# KiCad board HPM1500_DDR3_CORE_RevB.kicad_pcb (continued)
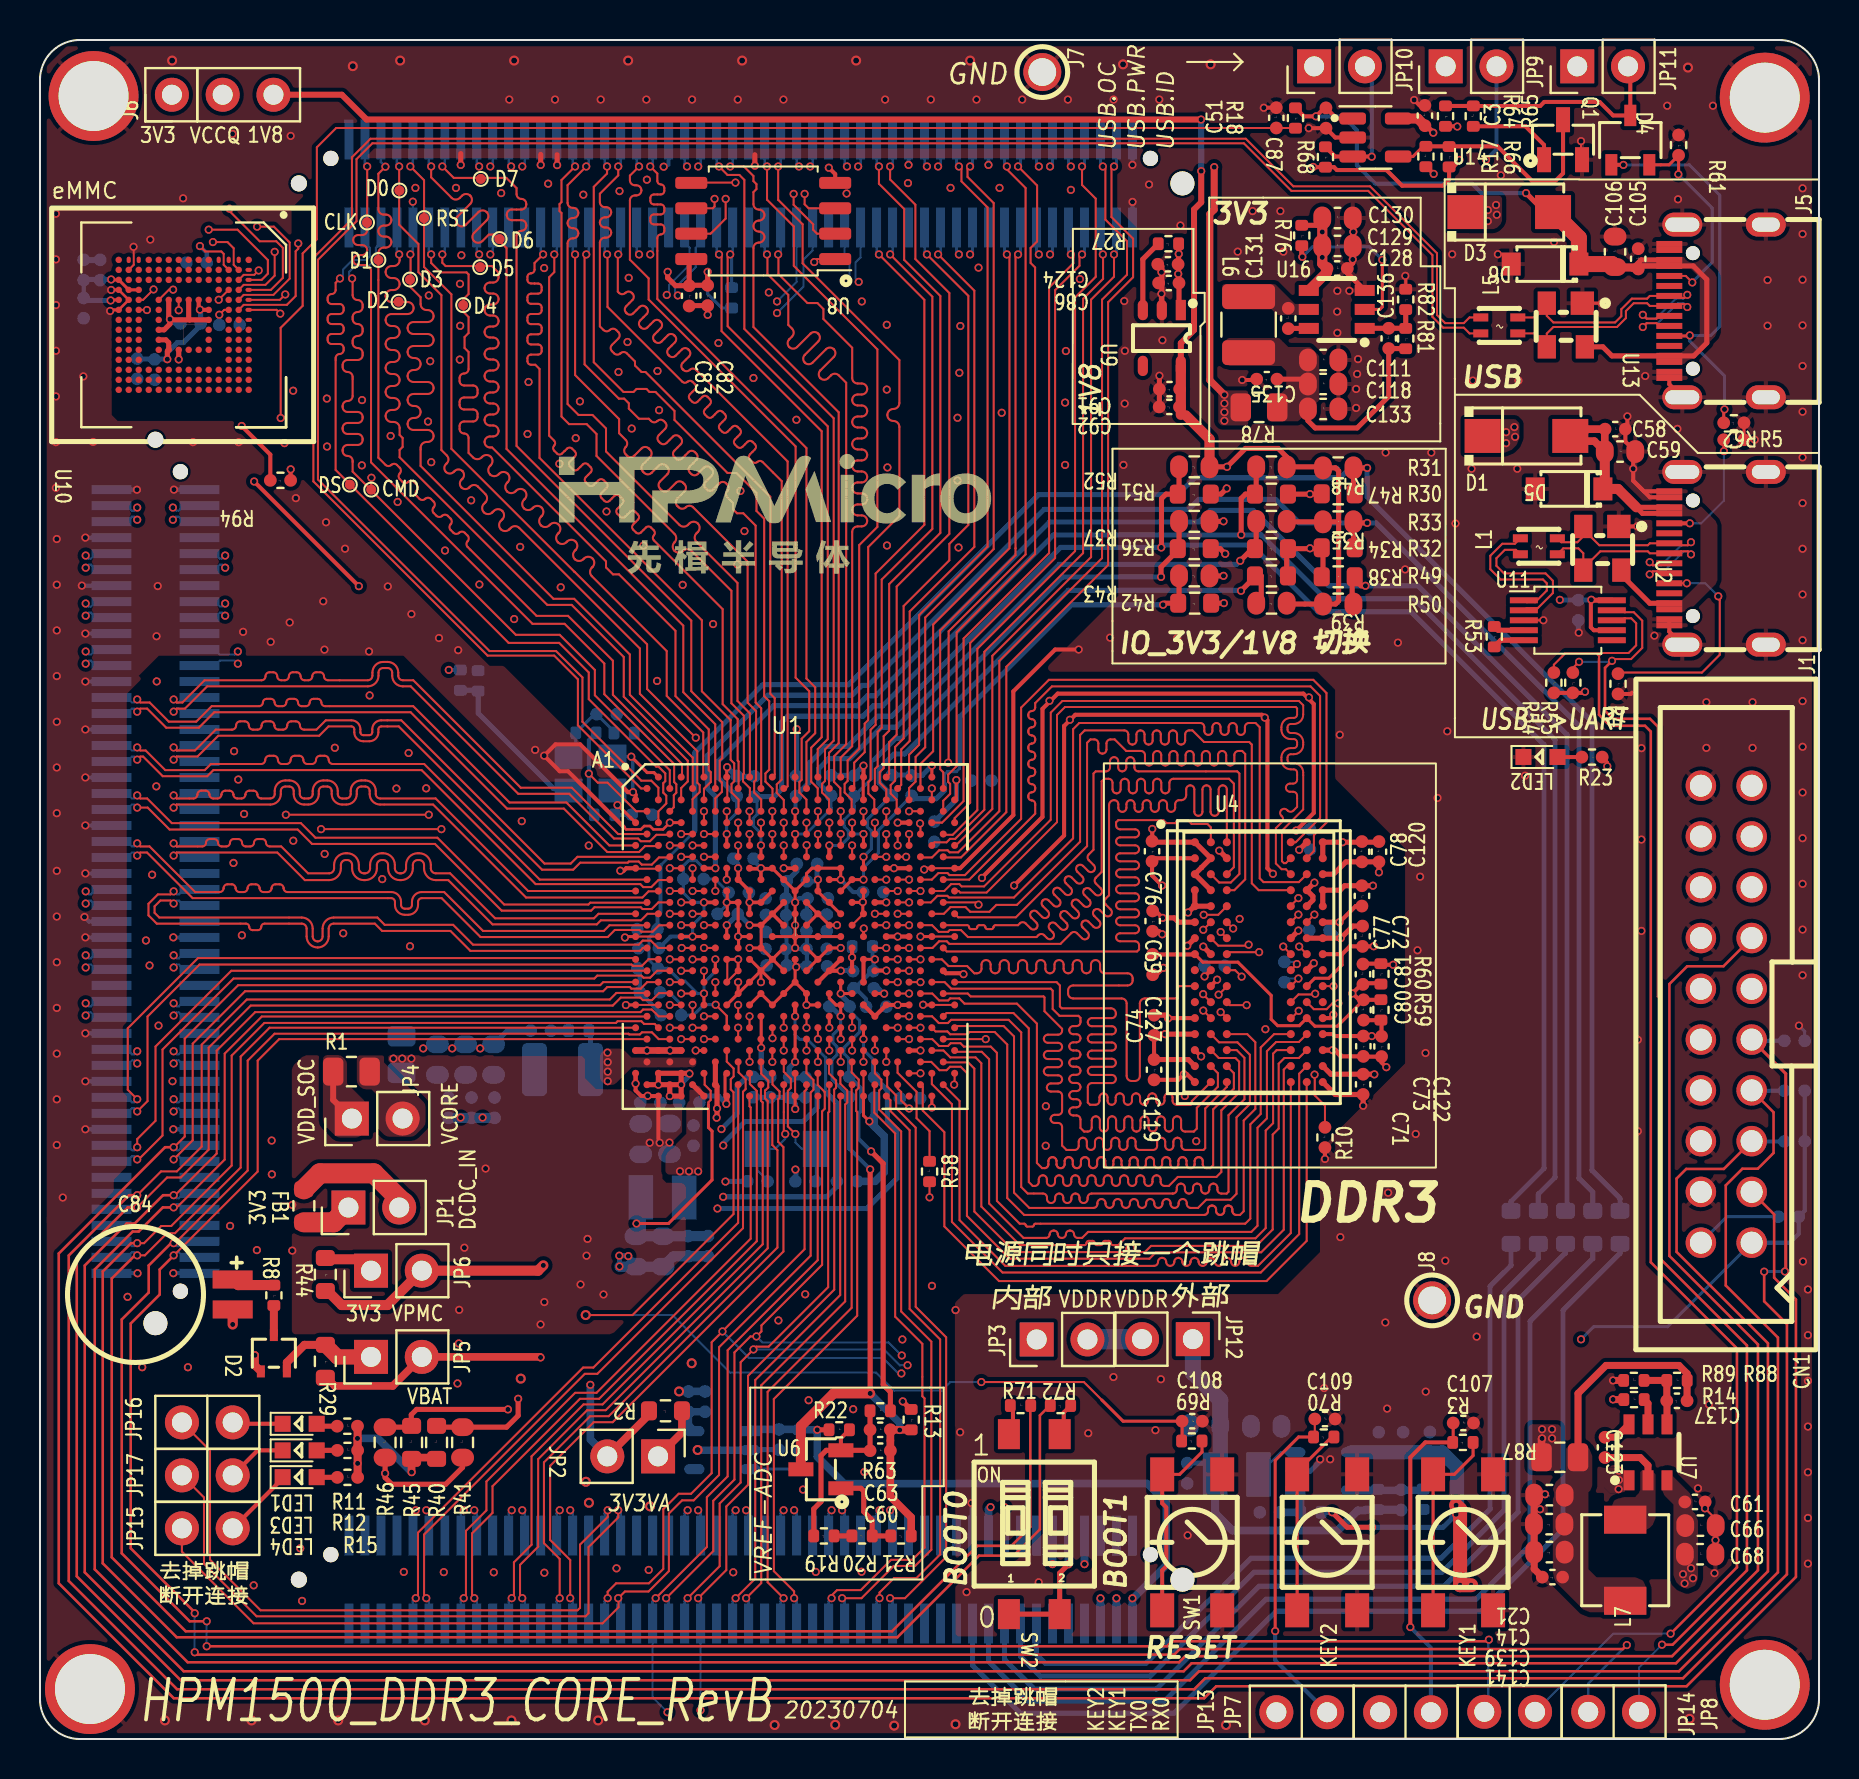
[diagram p0: board, top side]
## Routing (per net, layer and track width the routed paths; a pad name or vN(x,y) marks a point on that pad's centre or on a via; arc(x,y) is an arc through that point) (continued)
  Top w0.152: U4.K8 63.77,38.06 64.47,38.06 65.14,38.72 65.14,39.26
  Top w0.203: U1.J23 U1.J25 ; U4.N9 64.67,35.27 64.77,35.17 67.1,35.17 ; C80.1 67.08,35.96 ; C76.1 55.64,44.93 v2(55.64,45.53) ; 41.77,38.44 v2(42.34,38.44) ; 67.1,35.17 67.11,35.16 67.11,35.94 ; 67.1,35.17 v2(66.62,35.17) ; C69.1 55.81,41.43 v2(56.16,41.08) ; U1.R23 v2(42.9,40.15) U1.R25 ; v2(66.72,39.66) 66.71,39.65 65.52,39.65 65.14,39.26 U4.H9 ; U1.AA25 v2(42.91,36.72) U1.AA23 U1.AB22 U1.AA21 ; U1.M22 v2(42.33,41.85) ; C74.1 C119.1 ; 58.57,37.67 v2(58.89,37.99)
  Top w0.254: v2(66.98,43.36) C120.1 C78.1 65.33,43.88 64.71,43.26 U4.C9 ; U4.R9 64.58,33.26 66.74,33.26 v2(66.75,33.25) ; U4.D2 U4.C1 U4.B2 U4.A1 55.69,44.86 C76.1 ; C119.1 57.44,33.99 U4.R1 ; U4.G7 v2(62.95,40.44) ; U4.H2 v2(58.19,39.65) ; v2(66.68,42.69) C72.1 65.26,42.69 65.03,42.46 U4.D9 U4.E9 ; 55.73,35.22 55.77,35.27 U4.N1 ; v2(56.16,41.08) 56.74,41.08 56.96,40.86 U4.F1 ; U4.A8 v2(62.99,44.48)
  Bottom w0.8: 52.42,20 JP3.2
  Bottom w1.016: JP12.2 52.42,20
  vias: v2(56.28,35.27)
VDDR_VREF: length 57.8
  Top w0.102: v2(42.23,37.29) 42.22,37.29
  Top w0.152: 66.13,36.99 66.13,36.89 64.9,35.66 63.78,35.66 U4.M8 62.99,35.69 61.91,35.69 61.59,36.01 61.59,37.2 59.92,38.86 58.17,38.86 U4.H1 ; 42.23,37.3 U1.Y22 ; v2(41.21,40.55) 41.19,40.53 U1.R21
  Top w0.203: U4.H1 57.76,39.25 C127.1 ; 67.08,37.03 67.13,36.98 67.13,36.98 ; R59.1 67.07,36.98 C80.2 65.99,36.98 65.67,37.3 v2(65.65,37.3) 66.1,37.75 C81.1 66.24,37.81 67.08,37.81
  In2.Cu w0.381: v2(65.65,37.3) 65.65,34.2 59.05,27.6 47.64,27.6 44.05,31.19 44.05,31.96 42.91,33.1 42.91,34.18 42.24,34.85 42.24,37.28 ; v2(41.21,40.55) 41.19,40.53 41.19,38.32 v2(42.23,37.29)
  Bottom w0.203: C79.1 41.96,37.56 v2(42.23,37.29)
/Main/DDR3/A0: length 35.6
  Top w0.102: U1.AC27 44.8,35.4 45.39,35.4 45.53,35.26 46.39,35.26 46.5,35.37 47.76,35.37 48.39,34.74 48.39,27.06 49.23,26.22 58.22,26.22 58.26,26.22 58.34,26.25 58.4,26.31 58.43,26.38 58.43,26.42 58.43,26.48 58.43,26.52 58.46,26.6 58.52,26.66 58.59,26.69 58.63,26.69 58.67,26.69 58.75,26.66 58.8,26.6 58.83,26.52 58.83,26.48 58.83,26.42 58.84,26.38 58.87,26.31 58.92,26.25 59,26.22 59.04,26.22 59.08,26.22 59.15,26.25 59.21,26.31 59.24,26.38 59.24,26.42 59.24,26.48 59.24,26.52 59.27,26.6 59.33,26.66 59.4,26.69 59.44,26.69 59.48,26.69 59.56,26.66 59.61,26.6 59.65,26.52 59.65,26.48 59.65,26.42 59.65,26.38 59.68,26.31 59.74,26.25 59.81,26.22 59.85,26.22 60.03,26.22 60.22,26.41 60.22,30.94 60.8,31.52 60.8,34.86 60.39,35.27 U4.N3
/Main/DDR3/A1: length 35.6
  Top w0.102: U4.P7 61.86,34.46 61.69,34.29 61.69,30.81 61.32,30.44 61.32,25.56 60.81,25.05 54.28,25.05 53.94,24.71 53.68,24.71 arc(53.6,24.74) 53.57,24.82 arc(53.54,24.89) 53.47,24.92 53.27,24.92 arc(53.2,24.89) 53.17,24.82 arc(53.14,24.74) 53.06,24.71 52.87,24.71 arc(52.79,24.74) 52.76,24.82 arc(52.73,24.89) 52.65,24.92 52.46,24.92 arc(52.39,24.89) 52.35,24.82 arc(52.32,24.74) 52.25,24.71 49.02,24.71 47.09,26.64 47.09,33.81 46.8,34.1 45.54,34.1 45.19,34.44 U1.AE27
/Main/DDR3/A2: length 35.6
  Top w0.102: U4.P3 59.87,34.46 60.25,34.08 60.25,32 59.46,31.21 59.46,27.38 59.36,27.29 59.1,27.29 arc(58.96,27.35) 58.9,27.49 58.9,27.58 arc(58.84,27.73) 58.7,27.79 arc(58.55,27.73) 58.49,27.58 58.49,27.49 arc(58.43,27.35) 58.29,27.29 arc(58.15,27.35) 58.09,27.49 58.09,27.58 arc(58.03,27.73) 57.88,27.79 arc(57.74,27.73) 57.68,27.58 57.68,27.49 arc(57.62,27.35) 57.48,27.29 arc(57.33,27.35) 57.27,27.49 57.27,27.58 arc(57.21,27.73) 57.07,27.79 arc(56.93,27.73) 56.87,27.58 56.87,27.49 arc(56.81,27.35) 56.66,27.29 56.66,27.29 52.61,27.29 arc(52.47,27.23) 52.41,27.09 52.41,27.02 arc(52.35,26.87) 52.2,26.81 arc(52.06,26.87) 52,27.02 52,27.09 arc(51.94,27.23) 51.8,27.29 arc(51.65,27.23) 51.59,27.09 51.59,27.02 arc(51.53,26.87) 51.39,26.81 arc(51.25,26.87) 51.19,27.02 51.19,27.09 arc(51.13,27.23) 50.98,27.29 arc(50.84,27.23) 50.78,27.09 50.78,27.02 arc(50.72,26.87) 50.58,26.81 arc(50.43,26.87) 50.37,27.02 50.37,27.09 arc(50.32,27.23) 50.17,27.29 49.41,27.29 49.09,27.61 49.09,35.35 48.46,35.98 45.58,35.98 45.42,35.82 44.96,35.82 44.62,36.15 U1.AB26
/Main/DDR3/A3: length 35.6
  Top w0.102: U1.AC29 45.84,35.67 48.21,35.67 48.73,35.15 48.73,27.33 49.49,26.57 52.69,26.57 arc(52.84,26.63) 52.9,26.77 52.9,26.81 arc(52.96,26.96) 53.1,27.02 arc(53.24,26.96) 53.3,26.81 53.3,26.77 arc(53.36,26.63) 53.51,26.57 arc(53.65,26.63) 53.71,26.77 53.71,26.81 arc(53.77,26.96) 53.91,27.02 arc(54.06,26.96) 54.12,26.81 54.12,26.77 arc(54.18,26.63) 54.32,26.57 arc(54.46,26.63) 54.52,26.77 54.52,26.81 arc(54.58,26.96) 54.73,27.02 arc(54.87,26.96) 54.93,26.81 54.93,26.77 arc(54.99,26.63) 55.13,26.57 arc(55.28,26.63) 55.33,26.77 55.33,26.81 arc(55.39,26.96) 55.54,27.02 arc(55.68,26.96) 55.74,26.81 55.74,26.77 arc(55.8,26.63) 55.94,26.57 arc(56.09,26.63) 56.15,26.77 56.15,26.81 arc(56.21,26.96) 56.35,27.02 arc(56.49,26.96) 56.55,26.81 56.55,26.77 arc(56.61,26.63) 56.76,26.57 arc(56.9,26.63) 56.96,26.77 56.96,26.81 arc(57.02,26.96) 57.16,27.02 arc(57.31,26.96) 57.37,26.81 57.37,26.77 arc(57.43,26.63) 57.57,26.57 57.93,26.57 58.34,26.98 59.56,26.98 59.86,27.28 59.86,31.1 60.53,31.77 60.53,34.23 59.9,34.85 58.98,34.85 U4.N2
/Main/DDR3/A4: length 35.6
  Top w0.102: U4.P8 62.98,34.07 62.25,34.07 61.97,33.78 61.97,30.54 61.67,30.24 61.67,25.49 60.85,24.67 55.58,24.67 55.27,24.36 54.95,24.36 arc(54.82,24.42) 54.76,24.55 arc(54.7,24.68) 54.57,24.74 54.54,24.74 arc(54.41,24.68) 54.35,24.55 arc(54.3,24.42) 54.16,24.36 48.77,24.36 46.74,26.39 46.74,33.54 46.43,33.85 45.21,33.85 U1.AF28
/Main/DDR3/A5: length 35.6
  Top w0.102: U4.P2 58.97,34.07 59.8,34.07 59.99,33.88 59.99,32.34 59.1,31.45 59.1,28.37 58.85,28.12 56.92,28.12 56.47,27.67 56.26,27.67 arc(56.12,27.73) 56.06,27.87 56.06,28 arc(56,28.14) 55.86,28.2 arc(55.71,28.14) 55.65,28 55.65,27.87 arc(55.59,27.73) 55.45,27.67 arc(55.31,27.73) 55.25,27.87 55.25,28 arc(55.19,28.14) 55.04,28.2 arc(54.9,28.14) 54.84,28 54.84,27.87 arc(54.78,27.73) 54.64,27.67 arc(54.49,27.73) 54.43,27.87 54.43,28 arc(54.37,28.14) 54.23,28.2 arc(54.09,28.14) 54.03,28 54.03,27.87 arc(53.97,27.73) 53.82,27.67 arc(53.68,27.73) 53.62,27.87 53.62,28 arc(53.56,28.14) 53.42,28.2 arc(53.27,28.14) 53.21,28 53.21,27.87 arc(53.15,27.73) 53.01,27.67 arc(52.87,27.73) 52.81,27.87 52.81,28 arc(52.75,28.14) 52.6,28.2 arc(52.46,28.14) 52.4,28 52.4,27.87 arc(52.34,27.73) 52.2,27.67 arc(52.05,27.73) 52,27.87 52,28 arc(51.94,28.14) 51.79,28.2 arc(51.65,28.14) 51.59,28 51.59,27.87 arc(51.53,27.73) 51.39,27.67 arc(51.24,27.73) 51.18,27.87 51.18,28 arc(51.12,28.14) 50.98,28.2 arc(50.84,28.14) 50.78,28 50.78,27.87 arc(50.72,27.73) 50.57,27.67 arc(50.43,27.73) 50.37,27.87 50.37,28 arc(50.31,28.14) 50.17,28.2 arc(50.02,28.14) 49.96,28 49.96,27.87 arc(49.9,27.73) 49.76,27.67 49.66,27.67 49.47,27.86 49.47,35.55 48.7,36.32 45.35,36.32 U1.AB28
/Main/DDR3/A6: length 35.6
  Top w0.102: U4.R8 62.99,33.29 62.99,25.26 61.07,23.34 48.15,23.34 45.62,25.87 45.62,31.76 44.62,32.76 U1.AG27
/Main/DDR3/A7: length 35.6
  Top w0.102: U1.W27 45.25,37.86 45.58,37.54 50.56,37.54 50.66,37.44 50.66,36.52 51,36.18 51.95,36.18 52.05,36.08 52.05,35.87 arc(51.99,35.73) 51.85,35.67 51.69,35.67 arc(51.55,35.61) 51.49,35.46 arc(51.55,35.32) 51.69,35.26 51.85,35.26 arc(51.99,35.2) 52.05,35.06 arc(51.99,34.91) 51.85,34.85 51.69,34.85 arc(51.55,34.79) 51.49,34.65 arc(51.55,34.51) 51.69,34.45 51.85,34.45 arc(51.99,34.39) 52.05,34.24 arc(51.99,34.1) 51.85,34.04 51.69,34.04 arc(51.55,33.98) 51.49,33.84 arc(51.55,33.69) 51.69,33.63 51.85,33.63 arc(51.99,33.58) 52.05,33.43 arc(51.99,33.29) 51.85,33.23 51.69,33.23 arc(51.55,33.17) 51.49,33.03 arc(51.55,32.88) 51.69,32.82 51.85,32.82 arc(51.99,32.76) 52.05,32.62 arc(51.99,32.48) 51.85,32.42 51.69,32.42 arc(51.55,32.36) 51.49,32.21 arc(51.55,32.07) 51.69,32.01 51.85,32.01 arc(51.99,31.95) 52.05,31.81 arc(51.99,31.66) 51.85,31.6 51.69,31.6 arc(51.55,31.54) 51.49,31.4 arc(51.55,31.26) 51.69,31.2 51.85,31.2 arc(51.99,31.14) 52.05,30.99 52.05,30.57 52.23,30.39 52.41,30.39 arc(52.55,30.45) 52.61,30.59 52.61,30.95 arc(52.67,31.09) 52.82,31.15 arc(52.96,31.09) 53.02,30.95 53.02,30.59 arc(53.08,30.45) 53.22,30.39 arc(53.37,30.45) 53.43,30.59 53.43,30.95 arc(53.49,31.09) 53.63,31.15 arc(53.77,31.09) 53.83,30.95 53.83,30.59 arc(53.89,30.45) 54.04,30.39 arc(54.18,30.45) 54.24,30.59 54.24,30.95 arc(54.3,31.09) 54.44,31.15 arc(54.59,31.09) 54.65,30.95 54.65,30.59 arc(54.7,30.45) 54.85,30.39 arc(54.99,30.45) 55.05,30.59 55.05,30.95 arc(55.11,31.09) 55.25,31.15 arc(55.4,31.09) 55.46,30.95 55.46,30.59 arc(55.52,30.45) 55.66,30.39 arc(55.8,30.45) 55.86,30.59 55.86,30.95 arc(55.92,31.09) 56.07,31.15 arc(56.21,31.09) 56.27,30.95 56.27,30.59 arc(56.33,30.45) 56.47,30.39 arc(56.62,30.45) 56.68,30.59 56.68,30.95 arc(56.74,31.09) 56.88,31.15 arc(57.02,31.09) 57.08,30.95 57.08,30.59 arc(57.14,30.45) 57.29,30.39 57.72,30.39 57.87,30.54 57.87,31.58 58.92,32.63 58.92,33.31 U4.R2
/Main/DDR3/A8: length 35.6
  Top w0.102: U1.AH26 44.16,32.62 44.16,31.44 45.24,30.36 45.24,25.65 47.98,22.91 61.36,22.91 63.37,24.92 63.37,32.86 U4.T8
/Main/DDR3/A9: length 35.6
  Top w0.102: U1.Y26 44.64,37.29 44.98,36.95 45.43,36.95 45.53,37.05 45.99,37.05 46.25,36.79 48.87,36.79 49.87,35.79 49.87,28.82 50.13,28.56 50.24,28.56 50.28,28.56 50.36,28.59 50.41,28.65 50.44,28.72 50.45,28.76 50.45,28.91 50.45,28.95 50.48,29.02 50.53,29.08 50.61,29.11 50.65,29.11 50.69,29.11 50.76,29.08 50.82,29.02 50.85,28.95 50.85,28.91 50.85,28.76 50.85,28.72 50.88,28.65 50.94,28.59 51.01,28.56 51.05,28.56 51.09,28.56 51.17,28.59 51.23,28.65 51.26,28.72 51.26,28.76 51.26,28.91 51.26,28.95 51.29,29.02 51.35,29.08 51.42,29.11 51.46,29.11 51.5,29.11 51.58,29.08 51.63,29.02 51.66,28.95 51.66,28.91 51.66,28.76 51.67,28.72 51.7,28.65 51.75,28.59 51.83,28.56 51.87,28.56 51.91,28.56 51.98,28.59 52.04,28.65 52.07,28.72 52.07,28.76 52.07,28.91 52.07,28.95 52.1,29.02 52.16,29.08 52.23,29.11 52.27,29.11 52.31,29.11 52.39,29.08 52.45,29.02 52.48,28.95 52.48,28.91 52.48,28.76 52.48,28.72 52.51,28.65 52.57,28.59 52.64,28.56 52.68,28.56 52.72,28.56 52.79,28.59 52.85,28.65 52.88,28.72 52.88,28.76 52.88,28.91 52.89,28.95 52.92,29.02 52.97,29.08 53.05,29.11 53.09,29.11 53.13,29.11 53.2,29.08 53.26,29.02 53.29,28.95 53.29,28.91 53.29,28.76 53.29,28.72 53.32,28.65 53.38,28.59 53.45,28.56 53.49,28.56 53.53,28.56 53.61,28.59 53.66,28.65 53.69,28.72 53.7,28.76 53.7,28.91 53.7,28.95 53.73,29.02 53.79,29.08 53.86,29.11 53.9,29.11 53.94,29.11 54.01,29.08 54.07,29.02 54.1,28.95 54.1,28.91 54.1,28.76 54.1,28.72 54.13,28.65 54.19,28.59 54.27,28.56 54.31,28.56 54.35,28.56 54.42,28.59 54.48,28.65 54.51,28.72 54.51,28.76 54.51,28.91 54.51,28.95 54.54,29.02 54.6,29.08 54.67,29.11 54.71,29.11 54.75,29.11 54.83,29.08 54.88,29.02 54.91,28.95 54.92,28.91 54.92,28.76 54.92,28.72 54.95,28.65 55,28.59 55.08,28.56 55.12,28.56 55.16,28.56 55.23,28.59 55.29,28.65 55.32,28.72 55.32,28.76 55.32,28.91 55.32,28.95 55.35,29.02 55.41,29.08 55.49,29.11 55.53,29.11 55.57,29.11 55.64,29.08 55.7,29.02 55.73,28.95 55.73,28.91 55.73,28.76 55.73,28.72 55.76,28.65 55.82,28.59 55.89,28.56 55.93,28.56 55.97,28.56 56.05,28.59 56.1,28.65 56.13,28.72 56.13,28.76 56.13,28.91 56.14,28.95 56.17,29.02 56.22,29.08 56.3,29.11 56.34,29.11 56.38,29.11 56.45,29.08 56.51,29.02 56.54,28.95 56.54,28.91 56.54,28.76 56.54,28.72 56.57,28.65 56.63,28.59 56.7,28.56 56.74,28.56 56.78,28.56 56.86,28.59 56.92,28.65 56.95,28.72 56.95,28.76 56.95,28.91 56.95,28.95 56.98,29.02 57.04,29.08 57.11,29.11 57.15,29.11 57.19,29.11 57.27,29.08 57.32,29.02 57.35,28.95 57.35,28.91 57.35,28.76 57.36,28.72 57.39,28.65 57.44,28.59 57.52,28.56 57.56,28.56 57.6,28.56 57.67,28.59 57.73,28.65 57.76,28.72 57.76,28.76 57.76,28.91 57.76,28.95 57.79,29.02 57.85,29.08 57.92,29.11 57.96,29.11 58,29.11 58.08,29.08 58.13,29.02 58.17,28.95 58.17,28.91 58.17,28.76 58.17,28.72 58.2,28.65 58.26,28.59 58.33,28.56 58.37,28.56 58.54,28.56 58.69,28.71 58.69,31.5 59.72,32.54 59.72,33.31 U4.R3
/Main/DDR3/A10: length 32.7
  Top w0.102: v2(63.79,37.28) 63.76,37.25 62.96,37.25 U4.L7 ; U1.AC23 v2(42.91,35.58)
  In2.Cu w0.102: v2(42.91,35.58) 42.91,34.96 43.36,34.51 43.36,33.94 43.58,33.72 44.53,33.72 45.28,32.97 45.28,32.29 45.72,31.85 45.72,31.25 48.16,28.81 58.13,28.81 61.6,32.27 arc(61.73,32.32) 61.86,32.27 arc(61.98,32.22) 62.11,32.27 62.14,32.3 arc(62.2,32.43) 62.14,32.56 arc(62.09,32.69) 62.14,32.82 63.47,34.14 63.47,36.96 v2(63.79,37.28)
/Main/DDR3/A11: length 35.6
  Top w0.102: U4.R7 62.4,33.67 62.22,33.49 62.22,25.48 61.09,24.35 55.82,24.35 55.5,24.03 48.51,24.03 46.37,26.17 46.37,33.32 46.06,33.63 45.52,33.63 45.35,33.46 45,33.46 44.59,33.87 U1.AF26
/Main/DDR3/A12: length 35.6
  Top w0.102: U1.AD26 44.64,35.01 44.98,34.67 45.42,34.67 45.56,34.81 46.04,34.81 46.22,34.64 47.56,34.64 47.87,34.33 47.87,26.92 49.01,25.78 49.24,25.78 arc(49.29,25.76) 49.31,25.71 arc(49.33,25.66) 49.38,25.64 49.65,25.64 arc(49.7,25.66) 49.72,25.71 arc(49.74,25.76) 49.79,25.78 60.29,25.78 60.55,26.04 60.55,30.75 61.07,31.27 61.07,34.6 61.74,35.27 U4.N7
/Main/DDR3/A13: length 35.6
  Top w0.102: U4.T3 59.37,32.63 58.29,31.54 58.29,29.56 58.2,29.47 57.31,29.47 arc(57.16,29.53) 57.1,29.67 57.1,29.88 arc(57.04,30.02) 56.9,30.08 arc(56.76,30.02) 56.7,29.88 56.7,29.67 arc(56.64,29.53) 56.49,29.47 arc(56.35,29.53) 56.29,29.67 56.29,29.88 arc(56.23,30.02) 56.09,30.08 arc(55.94,30.02) 55.88,29.88 55.88,29.67 arc(55.82,29.53) 55.68,29.47 55.01,29.47 arc(54.87,29.53) 54.81,29.67 54.81,29.88 arc(54.75,30.02) 54.6,30.08 arc(54.46,30.02) 54.4,29.88 54.4,29.67 arc(54.34,29.53) 54.2,29.47 arc(54.05,29.53) 53.99,29.67 53.99,29.88 arc(53.93,30.02) 53.79,30.08 arc(53.65,30.02) 53.59,29.88 53.59,29.67 arc(53.53,29.53) 53.38,29.47 arc(53.24,29.53) 53.18,29.67 53.18,29.88 arc(53.12,30.02) 52.98,30.08 arc(52.83,30.02) 52.77,29.88 52.77,29.67 arc(52.72,29.53) 52.57,29.47 arc(52.43,29.53) 52.37,29.67 52.37,29.88 arc(52.31,30.02) 52.17,30.08 arc(52.02,30.02) 51.96,29.88 51.96,29.67 arc(51.9,29.53) 51.76,29.47 51.35,29.47 51.13,29.69 51.13,30.62 arc(51.07,30.76) 50.93,30.82 50.76,30.82 arc(50.62,30.88) 50.56,31.02 arc(50.62,31.17) 50.76,31.23 50.93,31.23 arc(51.07,31.29) 51.13,31.43 51.13,32.19 arc(51.07,32.33) 50.93,32.39 50.57,32.39 arc(50.43,32.45) 50.37,32.6 arc(50.43,32.74) 50.57,32.8 50.93,32.8 arc(51.07,32.86) 51.13,33 arc(51.07,33.15) 50.93,33.2 50.42,33.2 arc(50.28,33.26) 50.22,33.41 arc(50.28,33.55) 50.42,33.61 50.93,33.61 arc(51.07,33.67) 51.13,33.81 arc(51.07,33.96) 50.93,34.02 50.42,34.02 arc(50.28,34.08) 50.22,34.22 arc(50.28,34.36) 50.42,34.42 50.93,34.42 arc(51.07,34.48) 51.13,34.63 arc(51.07,34.77) 50.93,34.83 50.42,34.83 arc(50.28,34.89) 50.22,35.03 arc(50.28,35.18) 50.42,35.24 50.93,35.24 arc(51.07,35.3) 51.13,35.44 51.13,35.53 50.25,36.41 50.25,37.1 50.2,37.15 46.56,37.15 46.41,37.29 U1.Y28
/Main/DDR3/A14: length 35.6
  Top w0.102: U4.T7 62.57,25.31 60.93,23.67 60.6,23.67 arc(60.46,23.73) 60.4,23.87 arc(60.34,24.01) 60.2,24.07 60.19,24.07 arc(60.05,24.01) 59.99,23.87 arc(59.93,23.73) 59.79,23.67 59.79,23.67 arc(59.65,23.73) 59.59,23.87 arc(59.53,24.01) 59.39,24.07 59.38,24.07 arc(59.24,24.01) 59.18,23.87 arc(59.12,23.73) 58.98,23.67 58.97,23.67 arc(58.83,23.73) 58.77,23.87 arc(58.72,24.01) 58.57,24.07 58.57,24.07 arc(58.43,24.01) 58.37,23.87 arc(58.31,23.73) 58.17,23.67 58.16,23.67 arc(58.02,23.73) 57.96,23.87 arc(57.9,24.01) 57.76,24.07 57.76,24.07 arc(57.61,24.01) 57.55,23.87 arc(57.5,23.73) 57.35,23.67 57.35,23.67 arc(57.21,23.73) 57.15,23.87 arc(57.09,24.01) 56.95,24.07 56.94,24.07 arc(56.8,24.01) 56.74,23.87 arc(56.68,23.73) 56.54,23.67 56.54,23.67 arc(56.39,23.73) 56.34,23.87 arc(56.28,24.01) 56.14,24.07 56.13,24.07 arc(55.99,24.01) 55.93,23.87 arc(55.87,23.73) 55.73,23.67 48.29,23.67 46,25.96 46,31.92 U1.AH28
/Main/DDR3/A15: length 32.7
  Top w0.102: v2(62.97,36.43) 62.6,36.06 U4.M7 ; U1.AD24 v2(43.47,35.01)
  In2.Cu w0.102: v2(43.47,35.01) 43.69,34.8 43.69,34.09 43.77,34.01 45.12,34.01 46.17,32.96 46.17,31.52 48.47,29.22 58.01,29.22 58.97,30.18 arc(59.04,30.34) 58.97,30.51 58.91,30.56 arc(58.85,30.72) 58.91,30.89 arc(59.08,30.95) 59.24,30.89 59.3,30.83 arc(59.46,30.76) 59.62,30.83 arc(59.68,30.99) 59.62,31.15 59.56,31.21 arc(59.49,31.37) 59.56,31.53 arc(59.72,31.6) 59.88,31.53 59.94,31.47 arc(60.1,31.41) 60.26,31.47 arc(60.33,31.63) 60.26,31.8 60.2,31.85 arc(60.14,32.02) 60.2,32.18 arc(60.37,32.24) 60.53,32.18 60.59,32.12 arc(60.75,32.05) 60.91,32.12 arc(60.98,32.28) 60.91,32.44 60.85,32.5 arc(60.78,32.66) 60.85,32.82 arc(61.01,32.89) 61.17,32.82 61.23,32.76 arc(61.39,32.7) 61.55,32.76 arc(61.62,32.93) 61.55,33.09 61.5,33.15 arc(61.43,33.31) 61.5,33.47 arc(61.66,33.53) 61.82,33.47 61.88,33.41 arc(62.04,33.34) 62.2,33.41 arc(62.27,33.57) 62.2,33.73 62.14,33.79 arc(62.07,33.95) 62.14,34.11 arc(62.3,34.18) 62.46,34.11 62.52,34.05 arc(62.68,33.99) 62.84,34.05 62.97,34.18 v2(62.97,36.43)
/Main/DDR3/BA0: length 32.7
  Top w0.102: U4.M2 v2(58.19,36.44) ; U1.U25 v2(44.05,39)
  In2.Cu w0.102: v2(58.19,36.44) 57.77,36.87 57.77,38.36 57.99,38.58 58.83,38.58 58.9,38.65 58.9,39.16 58.84,39.22 57.33,39.22 arc(57.21,39.17) 57.16,39.06 arc(57.11,38.94) 57,38.89 56.92,38.89 arc(56.8,38.94) 56.75,39.06 arc(56.71,39.17) 56.59,39.22 55.73,39.22 55.63,39.32 55.23,39.32 arc(55.07,39.25) 55.01,39.09 55.01,38.54 arc(54.94,38.38) 54.78,38.32 arc(54.62,38.38) 54.55,38.54 54.55,39.09 arc(54.48,39.25) 54.32,39.32 arc(54.16,39.25) 54.09,39.09 54.09,38.54 arc(54.03,38.38) 53.87,38.32 arc(53.7,38.38) 53.64,38.54 53.64,39.09 arc(53.57,39.25) 53.41,39.32 arc(53.25,39.25) 53.18,39.09 53.18,38.54 arc(53.11,38.38) 52.95,38.32 arc(52.79,38.38) 52.72,38.54 52.72,39.09 arc(52.66,39.25) 52.5,39.32 arc(52.33,39.25) 52.27,39.09 52.27,38.54 arc(52.2,38.38) 52.04,38.32 arc(51.88,38.38) 51.81,38.54 51.81,39.09 arc(51.74,39.25) 51.58,39.32 arc(51.42,39.25) 51.35,39.09 51.35,38.54 arc(51.29,38.38) 51.13,38.32 arc(50.97,38.38) 50.9,38.54 50.9,39.09 arc(50.83,39.25) 50.67,39.32 arc(50.51,39.25) 50.44,39.09 50.44,38.54 arc(50.38,38.38) 50.21,38.32 arc(50.05,38.38) 49.99,38.54 49.99,39.09 arc(49.92,39.25) 49.76,39.32 arc(49.6,39.25) 49.53,39.09 49.53,38.54 arc(49.46,38.38) 49.3,38.32 arc(49.14,38.38) 49.07,38.54 49.07,39.09 arc(49.01,39.25) 48.84,39.32 arc(48.68,39.25) 48.62,39.09 48.62,38.54 arc(48.55,38.38) 48.39,38.32 48.05,38.32 47.37,39 v2(44.05,39)
/Main/DDR3/BA1: length 35.6
  Top w0.102: U4.N8 62.98,34.87 61.84,34.87 61.38,34.41 61.38,31.05 60.91,30.58 60.91,25.68 60.6,25.37 52.43,25.37 52.13,25.07 51.91,25.07 arc(51.78,25.12) 51.73,25.25 arc(51.67,25.38) 51.54,25.44 51.5,25.44 arc(51.37,25.38) 51.32,25.25 arc(51.27,25.12) 51.14,25.07 51.1,25.07 arc(50.97,25.12) 50.91,25.25 arc(50.86,25.38) 50.73,25.44 50.69,25.44 arc(50.56,25.38) 50.51,25.25 arc(50.45,25.12) 50.33,25.07 49.2,25.07 47.48,26.79 47.48,34.01 47.11,34.38 45.82,34.38 U1.AE29
/Main/DDR3/BA2: length 32.7
  Top w0.102: U4.M3 59.07,36.36 v2(59.06,36.36) ; v2(42.91,39) U1.U23
  In2.Cu w0.102: v2(59.06,36.36) 58.73,36.03 57.71,36.03 57.34,36.4 57.34,37.19 57.08,37.45 56.36,37.45 arc(56.22,37.51) 56.16,37.65 56.16,37.7 arc(56.1,37.84) 55.95,37.9 arc(55.81,37.84) 55.75,37.7 55.75,37.2 arc(55.69,37.06) 55.55,37 arc(55.4,37.06) 55.34,37.2 55.34,37.7 arc(55.28,37.84) 55.14,37.9 arc(55,37.84) 54.94,37.7 54.94,37.2 arc(54.88,37.06) 54.73,37 arc(54.59,37.06) 54.53,37.2 54.53,37.7 arc(54.47,37.84) 54.33,37.9 arc(54.18,37.84) 54.12,37.7 54.12,37.2 arc(54.07,37.06) 53.92,37 arc(53.78,37.06) 53.72,37.2 53.72,37.7 arc(53.66,37.84) 53.52,37.9 arc(53.37,37.84) 53.31,37.7 53.31,37.2 arc(53.25,37.06) 53.11,37 arc(52.97,37.06) 52.91,37.2 52.91,37.7 arc(52.85,37.84) 52.7,37.9 arc(52.56,37.84) 52.5,37.7 52.5,37.2 arc(52.44,37.06) 52.3,37 arc(52.15,37.06) 52.09,37.2 52.09,37.7 arc(52.03,37.84) 51.89,37.9 arc(51.75,37.84) 51.69,37.7 51.69,37.2 arc(51.63,37.06) 51.48,37 arc(51.34,37.06) 51.28,37.2 51.28,37.7 arc(51.22,37.84) 51.08,37.9 arc(50.93,37.84) 50.87,37.7 50.87,37.2 arc(50.81,37.06) 50.67,37 arc(50.53,37.06) 50.47,37.2 50.47,37.7 arc(50.41,37.84) 50.26,37.9 arc(50.12,37.84) 50.06,37.7 50.06,37.2 arc(50,37.06) 49.86,37 arc(49.71,37.06) 49.65,37.2 49.65,37.7 arc(49.59,37.84) 49.45,37.9 arc(49.31,37.84) 49.25,37.7 49.25,37.2 arc(49.19,37.06) 49.04,37 arc(48.9,37.06) 48.84,37.2 48.84,37.7 arc(48.78,37.84) 48.64,37.9 arc(48.49,37.84) 48.44,37.7 48.44,37.65 arc(48.38,37.51) 48.23,37.45 47.93,37.45 46.73,38.65 43.79,38.65 43.6,38.84 43.07,38.84 v2(42.91,39)
/Main/DDR3/CAS: length 32.7
  Top w0.102: v2(44.05,37.86) U1.W25 ; v2(58.96,37.24) 59.37,37.65 U4.K3
  In2.Cu w0.102: v2(44.05,37.86) 45.36,37.86 47.2,36.02 47.61,36.02 48.18,35.45 48.18,34.89 48.49,34.58 48.87,34.58 arc(49.01,34.64) 49.07,34.78 49.07,35.14 arc(49.13,35.28) 49.27,35.34 arc(49.42,35.28) 49.48,35.14 49.48,34.78 arc(49.54,34.64) 49.68,34.58 arc(49.82,34.64) 49.88,34.78 49.88,35.14 arc(49.94,35.28) 50.09,35.34 arc(50.23,35.28) 50.29,35.14 50.29,34.78 arc(50.35,34.64) 50.49,34.58 arc(50.64,34.64) 50.7,34.78 50.7,35.14 arc(50.75,35.28) 50.9,35.34 arc(51.04,35.28) 51.1,35.14 51.1,34.78 arc(51.16,34.64) 51.3,34.58 arc(51.45,34.64) 51.51,34.78 51.51,35.14 arc(51.57,35.28) 51.71,35.34 arc(51.85,35.28) 51.91,35.14 51.91,34.78 arc(51.97,34.64) 52.12,34.58 arc(52.26,34.64) 52.32,34.78 52.32,35.14 arc(52.38,35.28) 52.52,35.34 arc(52.67,35.28) 52.73,35.14 52.73,34.78 arc(52.79,34.64) 52.93,34.58 arc(53.07,34.64) 53.13,34.78 53.13,35.14 arc(53.19,35.28) 53.34,35.34 arc(53.48,35.28) 53.54,35.14 53.54,34.78 arc(53.6,34.64) 53.74,34.58 arc(53.89,34.64) 53.95,34.78 53.95,35.14 arc(54.01,35.28) 54.15,35.34 arc(54.29,35.28) 54.35,35.14 54.35,34.78 arc(54.41,34.64) 54.56,34.58 arc(54.7,34.64) 54.76,34.78 54.76,35.14 arc(54.82,35.28) 54.96,35.34 arc(55.11,35.28) 55.17,35.14 55.17,34.78 arc(55.23,34.64) 55.37,34.58 55.51,34.58 arc(55.58,34.61) 55.62,34.68 arc(55.65,34.76) 55.72,34.79 55.92,34.79 arc(55.99,34.76) 56.02,34.68 arc(56.05,34.61) 56.13,34.58 56.56,34.58 arc(56.7,34.64) 56.76,34.78 56.76,34.96 arc(56.82,35.1) 56.97,35.16 arc(57.11,35.1) 57.17,34.96 57.17,34.78 arc(57.23,34.64) 57.37,34.58 arc(57.52,34.64) 57.58,34.78 57.58,34.96 arc(57.64,35.1) 57.78,35.16 arc(57.92,35.1) 57.98,34.96 57.98,34.78 arc(58.04,34.64) 58.19,34.58 58.83,34.58 59.89,35.64 59.89,36.81 59.46,37.24 v2(58.96,37.24)
/Main/DDR3/CKE0: length 32.7
  Top w0.102: U1.AG25 v2(44.05,33.3) ; U4.K9 v2(64.71,37.67)
  In2.Cu w0.102: v2(64.71,37.67) 64.71,37.39 63.79,36.47 63.79,33.95 62.79,32.95 62.79,32.37 61.92,31.49 arc(61.77,31.44) 61.63,31.49 61.62,31.5 arc(61.48,31.56) 61.33,31.5 arc(61.27,31.36) 61.33,31.21 61.34,31.21 arc(61.4,31.06) 61.34,30.92 arc(61.2,30.86) 61.05,30.92 61.05,30.93 arc(60.9,30.99) 60.76,30.93 arc(60.7,30.78) 60.76,30.64 60.77,30.63 arc(60.83,30.49) 60.77,30.35 arc(60.62,30.29) 60.48,30.35 60.47,30.35 arc(60.33,30.41) 60.18,30.35 arc(60.13,30.21) 60.18,30.06 60.19,30.06 arc(60.25,29.91) 60.19,29.77 arc(60.05,29.71) 59.9,29.77 59.9,29.78 arc(59.75,29.84) 59.61,29.78 arc(59.55,29.63) 59.61,29.49 59.62,29.48 arc(59.68,29.34) 59.62,29.2 arc(59.47,29.14) 59.33,29.2 59.32,29.2 arc(59.18,29.26) 59.04,29.2 arc(58.98,29.06) 59.04,28.91 59.04,28.91 arc(59.1,28.77) 59.04,28.62 58.74,28.32 48.01,28.32 45.23,31.1 45.23,31.68 44.05,32.86 v2(44.05,33.3)
/Main/DDR3/CKN: length 33.5
  Top w0.102: U4.K7 v2(62.95,38.05) ; v2(44.05,35.58) U1.AC25
  In2.Cu w0.097: v2(44.05,35.58) 44.05,35.94 44.12,36.02 44.37,36.02 44.69,35.7 44.69,35.57 47.09,33.16 47.09,32.08 49.03,30.14 49.53,30.14 arc(49.85,30.27) 49.98,30.59 49.98,30.74 arc(50.03,30.85) 50.13,30.89 50.39,30.89 arc(50.49,30.85) 50.53,30.74 50.53,30.59 arc(50.67,30.27) 50.99,30.14 51.24,30.14 arc(51.56,30.27) 51.7,30.59 51.7,30.74 arc(51.74,30.85) 51.84,30.89 52.1,30.89 arc(52.2,30.85) 52.25,30.74 52.25,30.59 arc(52.38,30.27) 52.7,30.14 52.96,30.14 arc(53.28,30.27) 53.41,30.59 53.41,30.74 arc(53.45,30.85) 53.56,30.89 53.81,30.89 arc(53.92,30.85) 53.96,30.74 53.96,30.59 arc(54.09,30.27) 54.41,30.14 54.67,30.14 arc(54.99,30.27) 55.12,30.59 55.12,30.74 arc(55.17,30.85) 55.27,30.89 55.52,30.89 arc(55.63,30.85) 55.67,30.74 55.67,30.59 arc(55.81,30.27) 56.13,30.14 57.12,30.14 62.04,35.06 62.04,37.24 62.09,37.29 62.09,37.61 62.04,37.66 62.04,37.88 62.46,38.3 62.7,38.3 v2(62.95,38.05)
  Bottom w0.102: R6.1 62.43,38.05 v2(62.95,38.05)
/Main/DDR3/CKP: length 33.4
  Top w0.102: v2(43.47,36.15) U1.AB24 ; v2(62.88,38.77) U4.J7
  In2.Cu w0.097: v2(43.47,36.15) 43.83,36.15 44,36.32 44.49,36.32 44.99,35.82 44.99,35.69 47.4,33.29 47.4,32.2 49.16,30.44 49.53,30.44 arc(49.63,30.49) 49.68,30.59 49.68,30.74 arc(49.81,31.06) 50.13,31.2 50.39,31.2 arc(50.71,31.06) 50.84,30.74 50.84,30.59 arc(50.88,30.49) 50.99,30.44 51.24,30.44 arc(51.35,30.49) 51.39,30.59 51.39,30.74 arc(51.52,31.06) 51.84,31.2 52.1,31.2 arc(52.42,31.06) 52.55,30.74 52.55,30.59 arc(52.6,30.49) 52.7,30.44 52.96,30.44 arc(53.06,30.49) 53.1,30.59 53.1,30.74 arc(53.24,31.06) 53.56,31.2 53.81,31.2 arc(54.13,31.06) 54.27,30.74 54.27,30.59 arc(54.31,30.49) 54.41,30.44 54.67,30.44 arc(54.77,30.49) 54.82,30.59 54.82,30.74 arc(54.95,31.06) 55.27,31.2 55.52,31.2 arc(55.85,31.06) 55.98,30.74 55.98,30.59 arc(56.02,30.49) 56.13,30.44 56.99,30.44 61.73,35.18 61.73,38 62.33,38.6 62.71,38.6 v2(62.88,38.77)
  Bottom w0.102: v2(62.88,38.77) 62.77,38.88 R6.2
